# KiCad board System-Controller-UVC.kicad_pcb (continued)
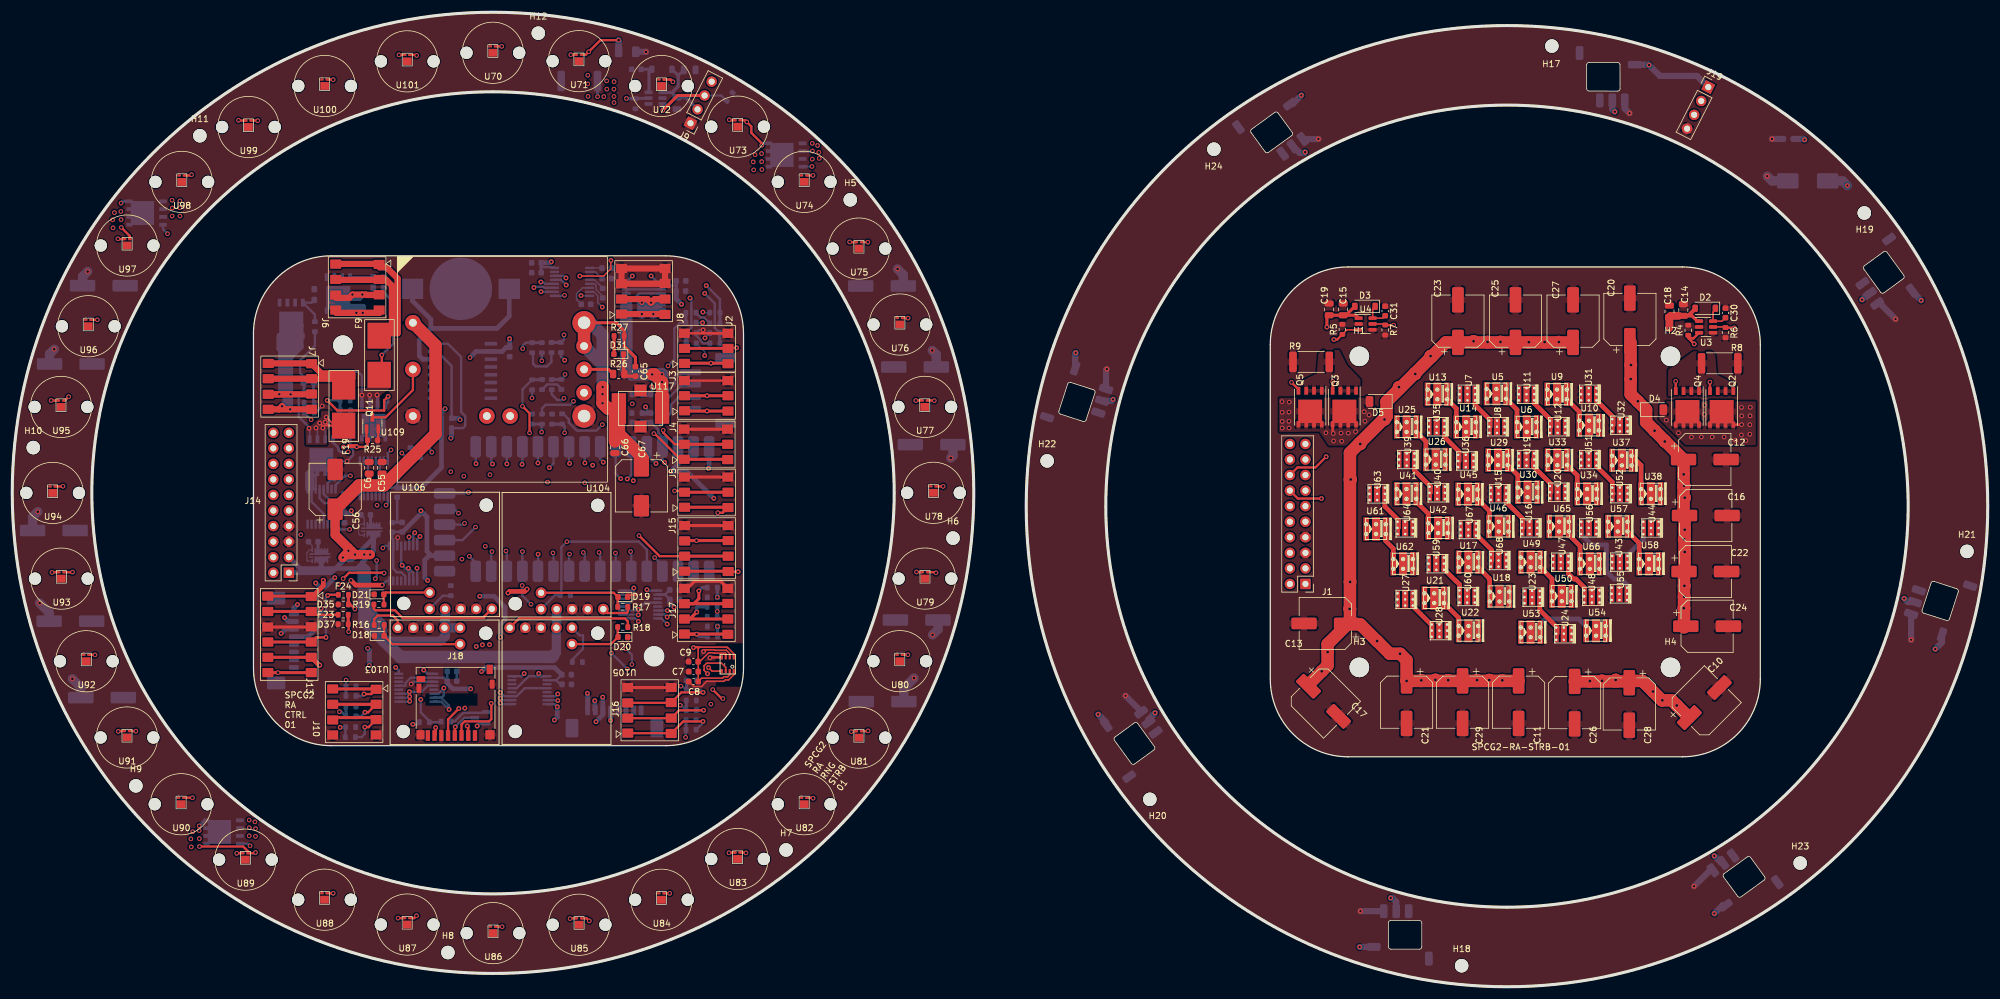
[diagram p0: board, top side]
## Routing (per net, layer and track width the routed paths; a pad name or vN(x,y) marks a point on that pad's centre or on a via; arc(x,y) is an arc through that point) (continued)
Net-(U47-K): length 6.9
  Top w0.762: U48.2 256.62,65.24 255.26,66.59 254.9,66.59 254.04,67.46 U47.1
Net-(U49-K): length 5.5
  Top w0.762: U49.1 251.36,66.6 U50.2
Net-(U51-K): length 6.7
  Top w0.762: U51.1 258.61,85.03 261.2,82.44 261.2,80.67 U52.2
Net-(U53-K): length 12.2
  Bottom w0.762: U54.2 256.95,58.85 255.73,60.06 250.63,60.06 250.45,60.24 249.46,59.25 U53.1
Net-(U55-K): length 18
  Bottom w0.762: U55.1 263.62,65.63 262.66,66.59 261.49,66.59 260.24,67.84 260.24,72.16 257.85,72.16 256.11,73.9 U56.2
Net-(U57-K): length 6.1
  Top w0.762: U58.2 265.59,72.46 263.69,74.35
Net-(U59-K): length 6.5
  Top w0.762: U60.2 236.26,65.73 235.73,66.25 235.67,66.25 233.72,68.2 U59.1
Net-(U61-K): length 5.4
  Top w0.762: U61.1 224.22,72.8 225.46,71.56 U62.2
Net-(U63-K): length 6.5
  Top w0.762: U63.1 224.07,78.44 226.29,76.22 U64.2
Net-(U65-K): length 6.9
  Top w0.762: U65.1 254.11,73.81 255.95,71.97 U66.2
Net-(U67-K): length 6.1
  Top w0.762: U67.1 238.95,73.9 241.53,71.32 U68.2
Net-(U70-K): length 16.8
  Top w0.381: U70.1 v2(79.89,153.58) ; U71.2 v2(91.18,152.21)
  In1.Cu w1.016: v2(79.89,153.58) 79.89,152.3 82.13,150.06 83.71,150.06 86.49,152.84 90.54,152.84 v2(91.18,152.21)
Net-(U72-K): length 20.9
  Top w0.381: U72.1 107.33,148.15 ; 107.33,148.15 107.35,148.13 ; 107.33,148.15 107.49,148.15 v2(107.85,147.79) ; v2(117.06,141.59) 117.14,141.51 U73.2
  In1.Cu w1.016: v2(117.06,141.59) 117.06,140.82 114.95,138.71 110.52,138.71 107.85,141.38 v2(107.85,147.79)
Net-(U74-K): length 15.5
  Top w0.381: U74.1 v2(130.72,132.5) ; v2(136.71,121.63) 136.74,121.6 U75.2
  In1.Cu w1.016: v2(136.71,121.63) 130.72,127.62 v2(130.72,132.5)
Net-(U76-K): length 15.9
  Top w0.381: U76.1 v2(146.25,109.2) ; v2(147.5,95.74) 147.51,95.75 U77.2
  In1.Cu w1.016: v2(146.25,109.2) 146.25,96.99 v2(147.5,95.74)
Net-(U78-K): length 17.9
  Top w0.381: U78.1 v2(151.97,81.72) ; U79.2 147.65,67.71 v2(147.62,67.74)
  In1.Cu w1.016: v2(147.62,67.74) 147.62,77.37 v2(151.97,81.72)
Net-(U80-K): length 18.1
  Top w0.381: U80.1 v2(146.21,54.22) ; v2(136.99,41.66) 137.06,41.73 U81.2
  In1.Cu w1.016: v2(146.21,54.22) 136.99,45 v2(136.99,41.66)
Net-(U82-K): length 19.9
  Top w0.381: v2(117,21.88) 117.04,21.92 U83.2 ; U82.1 130.78,30.86 130.78,30.83 v2(130.74,30.79)
  In1.Cu w1.016: v2(130.74,30.79) 130.74,30.22 127.54,27.02 122.14,27.02 v2(117,21.88)
Net-(U84-K): length 20.3
  Top w0.381: v2(91.07,11.13) 91.12,11.18 U85.2 ; U84.1 v2(107.32,15.26)
  In1.Cu w1.016: v2(107.32,15.26) 103.4,11.34 100.15,11.34 99.67,11.81 91.75,11.81 v2(91.07,11.13)
Net-(U86-K): length 21.3
  Top w0.381: U87.2 v2(62.99,11.21) ; U86.1 v2(79.97,9.81)
  In1.Cu w1.016: v2(62.99,11.21) 65.72,8.47 69.47,8.47 71.44,10.44 79.33,10.44 v2(79.97,9.81)
Net-(U88-K): length 20.4
  Top w0.381: U88.1 v2(52.39,15.27) ; v2(36.65,21.79) 36.67,21.81 U89.2
  In1.Cu w1.016: v2(36.65,21.79) 42.53,15.9 51.75,15.9 v2(52.39,15.27)
Net-(U90-K): length 19.1
  Top w0.381: v2(29.41,30.87) 29.39,30.85 28.95,30.85 28.94,30.86 U90.1 ; v2(17.3,41.7) 17.36,41.76 U91.2
  In1.Cu w1.016: v2(29.41,30.87) 28.13,30.87 v2(17.3,41.7)
Net-(U92-K): length 18.5
  Top w0.381: U92.1 v2(13.52,54.21) ; U93.2 6.53,67.7 v2(6.49,67.66)
  In1.Cu w1.016: v2(13.52,54.21) 13.52,55.46 6.49,62.49 v2(6.49,67.66)
Net-(U94-K): length 17.3
  Top w0.381: U94.1 8.25,81.7 v2(8.29,81.74) ; v2(6.35,95.75) 6.36,95.74 U95.2
  In1.Cu w1.016: v2(6.35,95.75) 8.29,93.81 v2(8.29,81.74)
Net-(U96-K): length 16.8
  Top w0.381: U96.1 v2(13.89,108.92) ; v2(17.25,122.15) 17.3,122.1 U97.2
  In1.Cu w1.016: v2(17.25,122.15) 17.25,117.89 13.89,114.53 v2(13.89,108.92)
Net-(U98-K): length 16.2
  Top w0.381: v2(36.94,141.5) 36.98,141.46 U99.2 ; U98.1 29.14,132.49 v2(29.27,132.62)
  In1.Cu w1.016: v2(36.94,141.5) 36.94,137.32 35.15,135.53 32.18,135.53 v2(29.27,132.62)
Net-(U100-K): length 15.2
  Top w0.381: v2(63.14,152.19) 63.15,152.18 U101.2 ; v2(52.39,148.14) 52.37,148.16 U100.1
  In1.Cu w1.016: v2(63.14,152.19) 62.06,153.27 57.52,153.27 v2(52.39,148.14)
Net-(U102-C1+): length 2
  Bottom w0.254: U102.1 96.23,117.4 C45.2
Net-(U102-C1-): length 9.8
  Top w0.254: v1(92.66,116.06) 96.54,116.06 97.73,117.25 v1(97.73,118.61)
  Bottom w0.254: v1(97.73,118.61) 97.73,117.45 C45.1 ; v1(92.66,116.06) 92.69,116.1 U102.3
Net-(U102-C2+): length 2.8
  Bottom w0.254: U102.4 95.04,115.45 96.39,114.09 C46.2
Net-(U102-C2-): length 3.7
  Bottom w0.254: U102.5 95.04,114.8 95.3,114.53 95.3,113.87 96.39,112.79 C46.1
Net-(U102-V+): length 2.5
  Bottom w0.254: U102.2 95.19,116.75 C49.1
Net-(U102-V-): length 4.6
  Bottom w0.254: C50.2 92.13,112.2 92.13,113.18 93.1,114.15 U102.6
Net-(U109-SENSE(+)): length 59.1
  Top w0.508: C65.1 101.73,102.8 99.89,104.64 R27.1 99.89,107.16 98.61,108.44 U109.8
  Top w2.032: U109.8 U109.7 ; U117.1 99.03,90.3 102.71,86.62 C67.1 ; U117.1 97.23,94.43 v1(96.37,95.29) 96.37,97.92 v1(96.39,97.94) ; U117.1 98.38,93.77 C66.1
  Bottom w2.032: U109.8 94.38,108.44 96.39,106.43 96.39,101.59 ; v1(96.37,95.29) v1(96.37,96.78) 96.37,97.92 v1(96.39,97.94) 96.39,101.59 ; 96.39,101.59 U109.7
Net-(U109-TRIM): length 5.1
  Top w0.508: U109.6 97.33,100.82 R26.1

## Copper pours and planes (outline as drawn; the poured copper is in the pictures)
/DarkfieldColorAndIRIllumination/PGND on Top: 201.23,121.93 285.94,121.93 285.98,36.62 200.88,36.62
/LEDController/GND on Top, Bottom, In1.Cu, In2.Cu, In3.Cu, In4.Cu: 120.91,37.6 37.36,37.98 37.51,121.68 121.06,121.45
/LEDController/Vin on Bottom: 57.84,74.52 60.07,74.52 60.07,69.12 49.32,69.12 49.33,70.31 52.16,70.31 57.84,73.36
/UVCIllumination/GND on Top: 164.78,157.98 325.6,158.33 326.06,-6.97 164.89,-1.58
/UVCIllumination/GND on Bottom: 163.48,158.69 324.3,159.04 324.76,-6.26 163.59,-0.87
/UVCIllumination/VIN on In3.Cu: 161.3,160.41 322.12,160.76 322.58,-4.54 161.41,0.85
/VioletRingIllumination/PGND on Bottom: -2.79,161.23 158.03,161.58 158.49,-3.72 -2.68,1.67
/DarkfieldColorAndIRIllumination/VAnodeColor on In4.Cu: 203.02,119.94 287.73,119.94 287.77,34.63 202.67,34.63
/DarkfieldColorAndIRIllumination/VAnodeIR on In3.Cu: 201.9,120.86 286.61,120.86 286.65,35.55 201.55,35.55
/LEDController/PowerInput/INA260/IN+ on Bottom: 56.7,93.24 56.69,88.63 56.41,87.15 56.43,85.16 58.26,85.14 58.23,87.07 58.61,88 60.11,88.65 60.12,93.29
/LEDController/PowerInput/INA260/IN- on Bottom: 56.42,80.91 58.24,80.92 58.24,79.37 59.01,78.34 60.09,76.25 60.08,74.77 57.82,74.76 57.82,77.7 56.43,78.58
/LEDController/PowerInput/INA269/IN- on Bottom: 47.99,76.28 49.72,76.28 49.73,74.68 51.55,72.44 51.57,70.56 49.36,70.54 49.34,73.08 48,74.22
/UVCIllumination/EN on In4.Cu: 162.39,159.51 323.21,159.86 323.67,-5.44 162.5,-0.05
/VioletRingIllumination/VAnode on Top: -1.49,160.52 159.33,160.87 159.79,-4.43 -1.38,0.96
Net-(D4-A) on Top: 268.84,95.64 284.65,95.61 284.64,88.43 273.16,88.47 268.83,92.7
Net-(D4-A) on In1.Cu: 203.7,119.22 288.41,119.22 288.45,33.91 203.35,33.91
Net-(D5-A) on Top: 222.64,96.21 206.83,96.18 206.84,90.56 213.39,90.65 214.91,88.35 217.75,88.36 222.65,93.27
Net-(D5-A) on In2.Cu: 204.64,118.5 289.35,118.5 289.39,33.19 204.29,33.19
Net-(D7-A) on Bottom: 125.64,138.05 122.08,138.04 119.15,134.38 119.13,132.94 125.61,132.89
Net-(D7-A) on Bottom: 21.05,128.59 17.49,128.58 14.56,124.92 14.56,123.2 21.04,123.15
Net-(D7-A) on Bottom: 33.83,27.49 30.27,27.48 27.34,23.82 27.34,22.1 33.82,22.05
Net-(D7-A) on In4.Cu: -3.88,162.04 156.94,162.39 157.4,-2.91 -3.77,2.48
Net-(D17-K) on Top, Bottom: 57.99,102.11 57.99,97.75 56.34,97.74 56.38,94.52 60.09,94.55 60.03,96.51 61.84,97.84 61.84,102.06 58.02,102.07
Net-(D36-K) on Top: 47.94,88.47 47.89,90.97 50.39,93.02 50.39,94.07 55.44,94.07 55.49,91.02 51.39,91.02 51.39,88.47
Net-(D36-K) on Bottom: 47.95,88.45 47.9,90.95 50.4,93 50.4,94.05 55.45,94.05 55.5,91 51.4,91 51.4,88.45
Net-(J7-Pin_3) on Bottom: 40.8,97.75 46.45,97.75 46.4,93 40.8,93.05
Net-(Q2-S-Pad1) on Top: 274.47,103.78 277.29,103.8 278.01,103.2 278.28,99.97 281.76,98.19 281.82,96.45 270.31,96.42 270.32,100.74 274.43,103.8
Net-(Q3-S-Pad1) on Top: 216.64,103.99 213.95,104 213.23,103.4 212.96,100.17 209.48,98.39 209.42,96.65 220.1,96.75 220.12,99.17 217.88,101.51
Net-(Q6-S-Pad1) on Bottom: 25.52,129.04 27.21,129.02 28.2,128.32 28.23,125.17 23.72,125.17 23.65,129.02
Net-(Q6-S-Pad1) on Bottom: 94.69,149.82 96.38,149.8 99.47,147.71 99.44,143.5 92.89,145.19 92.82,149.8
Net-(Q6-S-Pad1) on Bottom: 38.1,27.83 39.69,27.52 40.2,27 40.22,24.09 36.26,24.09 36.23,27.81
Net-(Q6-S-Pad1) on Bottom: 130.06,138.36 131.16,138.26 132.26,137.3 132.29,134.68 128.19,134.65 128.19,138.34
Net-(Q6-S-Pad1) on In3.Cu: -4.97,162.95 155.85,163.3 156.31,-2 -4.86,3.39

## Text on the board
F.Silkscreen: SPCG2 / RA / CTRL / 01 | SPCG2-RA-STRB-01 | SPCG2 / RA / RNG / STRB / 01
